# Altium PCB Dash2019.PcbDoc (continued)
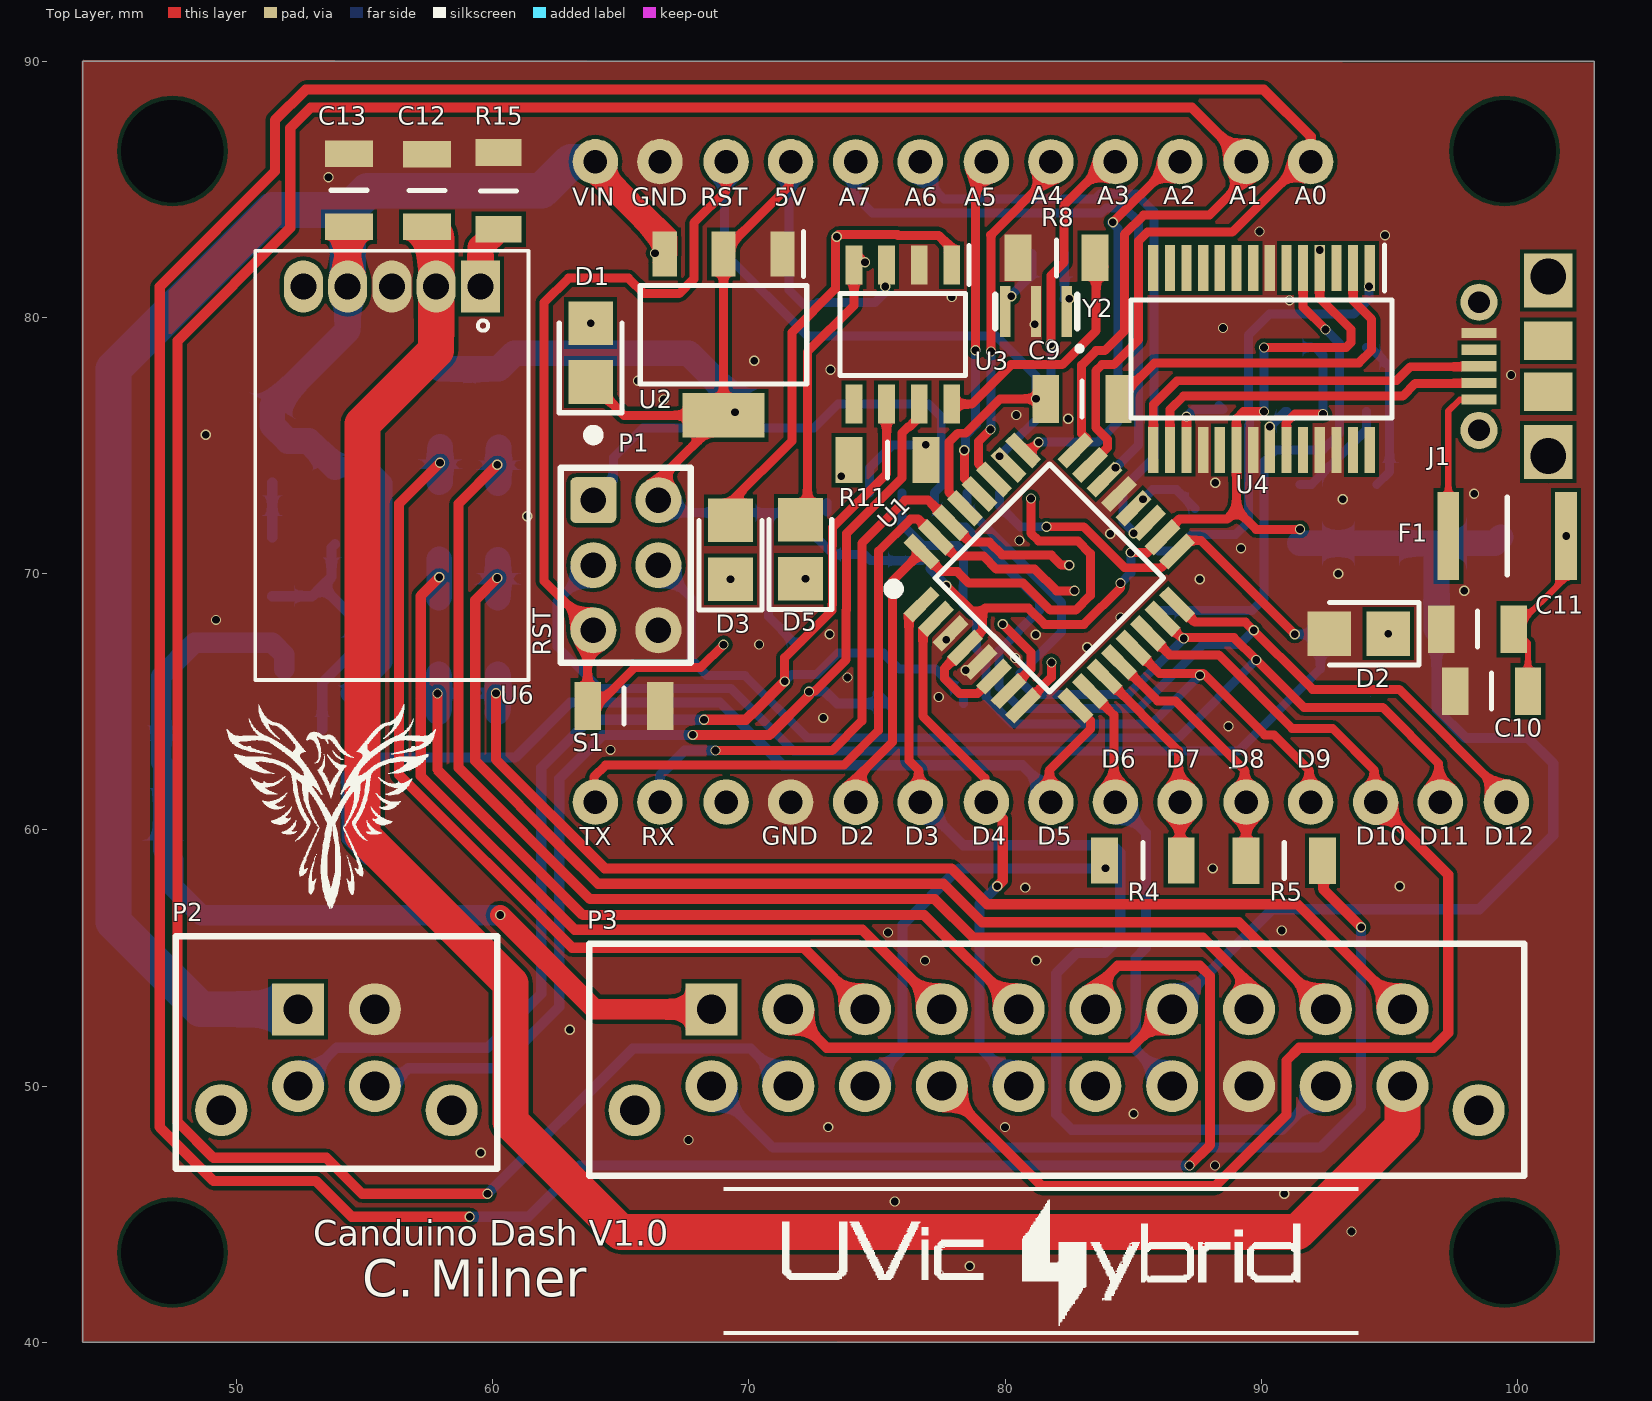
[diagram p0: Top Layer view]
## Part data (continued)
R8: library part Res1, "Resistor", Case/Package=1206, Case Code (Metric)=3216, Manufacturer="TE Connectivity Holsworthy", Manufacturer Part Number=CRGH1206F16K9, Max Operating Temperature=125°C, Min Operating Temperature=-55°C, Number of Resistors=1, Power Rating=500mW, Resistance=16.9kR, Supplier Part Number=RMCF1206FT16K9CT-ND, Temperature Coefficient=100ppm/°C, Tolerance=1%, Voltage Rating=200V, Case Code (Imperial)=1206, ComponentLink1Description=https://datasheet.ciiva.com/12573/eng-ds-1773204-g-12573853.pdf, ComponentLink1URL=https://datasheet.ciiva.com/12573/eng-ds-1773204-g-12573853.pdf, Composition="Thick Film,Power resistor", ELV=Compliant, Height=0.55mm, Length=3.1mm, Mount="Surface Mount", Number of Terminations=2, Packaging="Tape and Reel", Supplier 1=Digi-Key, Termination=Solder, Width=1.55mm
R10: library part Res1, "Resistor", Case/Package=1206, Case Code (Metric)=3216, Manufacturer=Vishay, Manufacturer Part Number=CRCW1206120RFKEAHP, Max Operating Temperature=155°C, Min Operating Temperature=-55°C, Package Quantity=5000, Power Rating=500mW, Resistance=120R, Temperature Coefficient=100ppm/°C, Tolerance=1%, Voltage Rating=200V, Case Code (Imperial)=1206, ComponentLink1Description=https://datasheet.ciiva.com/8976/crcwhpe3-8976135.pdf, ComponentLink1URL=https://datasheet.ciiva.com/8976/crcwhpe3-8976135.pdf, ComponentLink2Description=https://datasheet.ciiva.com/48525/crcwhpe3-48525463.pdf, ComponentLink2URL=https://datasheet.ciiva.com/48525/crcwhpe3-48525463.pdf, ComponentLink3Description=https://datasheet.ciiva.com/7777/424479-7777433.pdf, ComponentLink3URL=https://datasheet.ciiva.com/7777/424479-7777433.pdf, ComponentLink4Description=https://datasheet.ciiva.com/7777/424479-7777434.pdf, ComponentLink4URL=https://datasheet.ciiva.com/7777/424479-7777434.pdf, Composition="Thick Film", Contact Plating=Tin, Depth=1.6mm, Height=0.5mm, Lead Free="Lead Free", Length=3.1mm, Military Standard=Not, Packaging="Tape and Reel", Radiation Hardening=No, REACH SVHC=Unknown, Stock 1=0, Supplier 1=Digi-Key, Supplier 2=Digi-Key, Termination=SMD/SMT, Voltage Rating (DC)=200V, Weight=0.000353oz, Width=1.6mm
R11: library part Res1, "Resistor", Case/Package=1206, Case Code (Metric)=3216, Manufacturer="Stackpole Electronics", Manufacturer Part Number=RNCP1206FTD10K0, Max Operating Temperature=155°C, Max Power Dissipation=500mW, Min Operating Temperature=-55°C, Resistance=10kR, Supplier Part Number=RNCP1206FTD10K0CT-ND, Temperature Coefficient=100ppm/°C, Tolerance=1%, Case Code (Imperial)=1206, ComponentLink1Description=http://www.seielect.com/Catalog/SEI-rncp.pdf, ComponentLink1URL=http://www.seielect.com/Catalog/SEI-rncp.pdf, Composition="Thin Film", Height=0.024inch, Length=0.122inch, Mount="Surface Mount", Number of Terminations=2, Packaging="Tape and Reel", Pricing 1="1=0.1, 10=0.052, 100=0.0211, 1000=0.00949, 2500=0.00824 (USD)", Stock 1=41487, Supplier 1=Digi-Key, Width=0.059inch
R15: library part Res1, "Resistor", Case/Package=1206, Case Code (Metric)=3216, Manufacturer="Stackpole Electronics", Manufacturer Part Number=RMCF1206FT267R, Max Operating Temperature=155°C, Max Power Dissipation=500mW, Min Operating Temperature=-55°C, Resistance=267R, Supplier Part Number=RMCF1206FT267RCT-ND, Temperature Coefficient=100ppm/°C, Tolerance=1%, Case Code (Imperial)=1206, ComponentLink1Description=http://www.seielect.com/Catalog/SEI-rncp.pdf, ComponentLink1URL=http://www.seielect.com/Catalog/SEI-rncp.pdf, ComponentLink2Description=https://www.seielect.com/catalog/SEI-Packaging.pdf, ComponentLink2URL=https://www.seielect.com/catalog/SEI-Packaging.pdf, Composition="Thin Film", Contact Plating=Nickel,Tin,Matte, Height=0.024inch, Lead Free="Lead Free", Length=0.122inch, Mount="Surface Mount", Number of Terminations=2, Packaging="Tape and Reel", Pricing 1="1=0.1, 10=0.052, 100=0.0211, 1000=0.00949, 2500=0.00824 (USD)", Radiation Hardening=No, Stock 1=679, Supplier 1=Digi-Key, Width=0.059inch
R24: library part Res1, "Resistor", Supplier Part Number=RNCP1206FTD511RCT-ND, LatestRevisionDate=17-Jul-2002, LatestRevisionNote="Re-released for DXP Platform.", PackageDescription="Axial Device, Thru-Hole; 2 Leads; 0.3 in Pin Spacing", PackageReference=AXIAL-0.3, Published=8-Jun-2000, Publisher="Altium Limited", Supplier 1=Digi-Key
R25 R27: library part Res1, "Resistor", Supplier Part Number=RHM1.0MPCT-ND, LatestRevisionDate=17-Jul-2002, LatestRevisionNote="Re-released for DXP Platform.", PackageDescription="Axial Device, Thru-Hole; 2 Leads; 0.3 in Pin Spacing", PackageReference=AXIAL-0.3, Published=8-Jun-2000, Publisher="Altium Limited", Supplier 1=Digi-Key
S1: "Switch", Manufacturer="ITT C&K", Manufacturer Part Number=KXT331LHS, Supplier Part Number=CKN10779CT-ND, ComponentLink1Description=https://www.ckswitches.com/media/1465/kxt3.pdf, ComponentLink1URL=https://www.ckswitches.com/media/1465/kxt3.pdf, ComponentLink2Description=http://www.ckswitches.com/media/1465/kxt3.pdf, ComponentLink2URL=http://www.ckswitches.com/media/1465/kxt3.pdf, LatestRevisionDate=17-Jul-2002, LatestRevisionNote="Re-released for DXP Platform.", PackageDescription="Switch; 2 Leads", PackageReference=SPST-2, Pricing 1="8500=0.1264 (USD)", Published=24-Mar-1999, Publisher="Altium Limited", Stock 1=42500, Supplier 1=Digi-Key
U1: "8-bit AVR Microcontroller, 32KB Flash, 1KB EEPROM, 2KB SRAM, 32-pin TQFP, Industrial Grade (-40°C to 85°C)", Supplier Part Number=ATMEGA328P-AU-ND, Code_JEDEC=MS-026-ABA, ComponentLink1Description="Manufacturer Link", ComponentLink1URL=http://www.atmel.com/products/avr/default.asp?, ComponentLink2Description="ATmega48A/48PA/88A/88PA/168A/168PA/328/328P Datasheet", ComponentLink2URL=http://www.atmel.com/dyn/resources/prod_documents/8271.pdf, ComponentLink3Description="ATmega48A/48PA/88A/88PA/168A/168PA/328/328P Summary", ComponentLink3URL=http://www.atmel.com/dyn/resources/prod_documents/8271S.pdf, ComponentLink4Description="Atmel.com Home", ComponentLink4URL=http://www.atmel.com, DatasheetVersion="revA, Jan-2010", PackageDescription="32-Lead, 7x7x1.0 mm Body, 0.8mm Lead Pitch, Thin Profile Plastic Quad Flat Package (TQFP)", PackageReference=32A, PackageVersion="revB, Oct-2001", Published=1-Apr-2010, Publisher="Altium Limited", Supplier 1=Digi-Key, Supplier 2=Farnell, Supplier 3=Mouser, Supplier Part Number 2=1715486, Supplier Part Number 3=556-ATMEGA328P-AU
U2: "800mA Low-Dropout Linear Regulator, 4-pin SOT-223", Manufacturer="National Semiconductor", PackageTopMarking=XYTT*N06B, PartNumber=LM1117IMPX-5.0/NOPBCT-ND, PowerWise=N, Supplier Part Number=296-21114-1-ND, Code_IPC=SOT223-4, Code_JEDEC=TO-261-AA, ComponentLink1Description="LM1117 Datasheet", ComponentLink1URL=http://www.national.com/ds/LM/LM1117.pdf, ComponentLink2Description="LM1117 Web Page", ComponentLink2URL=http://www.national.com/pf/LM/LM1117.html, ComponentLink3Description="MP04A Package Page", ComponentLink3URL=http://www.national.com/packaging/folders/mp04a.html, CompType="LDO IC", DatasheetVersion=Apr-2006, PackageDescription="Molded SOT-223, 6.50 x 3.56 x 1.6mm Body, 4 Lead, 2.3mm Pitch", PackageReference=MP04A, PackageVersion="revB, Apr-2003", PinCount=4, Published=1-Mar-2010, Publisher="Altium Limited", RoHS=N, Supplier 1=Digi-Key
U3: "SOIC", Supplier Part Number=MCP2551T-E/SNCT-ND, Supplier 1=Digi-Key
U4: "USB UART Asynchronous Serial Data Transfer Chip, SSOP-28, Tape and Reel", Case/Package=SSOP, Manufacturer=FTDI, Manufacturer Part Number=FT232RL-REEL, Max Operating Temperature=85°C, Max Supply Voltage=5.25V, Min Operating Temperature=-40°C, Min Supply Voltage=3.3V, Operating Supply Current=15mA, Package Quantity=2000, Supplier Part Number=768-1007-1-ND, Voltage=5V, ComponentLink1Description="Manufacturer Link", ComponentLink1URL=http://www.ftdichip.com/Products/ICs/FT232R.htm, ComponentLink2Description=Datasheet, ComponentLink2URL=http://www.ftdichip.com/Support/Documents/DataSheets/ICs/DS_FT232R.pdf, ComponentLink3Description=https://datasheet.ciiva.com/34304/2161019-34304054.pdf, ComponentLink3URL=https://datasheet.ciiva.com/34304/2161019-34304054.pdf, ComponentLink4Description=https://datasheet.ciiva.com/1787/ds-ft232r-1787047.pdf, ComponentLink4URL=https://datasheet.ciiva.com/1787/ds-ft232r-1787047.pdf, ComponentLink5Description=https://datasheet.ciiva.com/1787/ds-ft232r-1787048.pdf, ComponentLink5URL=https://datasheet.ciiva.com/1787/ds-ft232r-1787048.pdf, ComponentLink6Description=https://datasheet.ciiva.com/1787/ds-ft232r-1787049.pdf, ComponentLink6URL=https://datasheet.ciiva.com/1787/ds-ft232r-1787049.pdf, ComponentLink7Description=https://datasheet.ciiva.com/4787/ds-ft232r-11534-4787658.pdf, ComponentLink7URL=https://datasheet.ciiva.com/4787/ds-ft232r-11534-4787658.pdf, ComponentLink8Description=https://datasheet.ciiva.com/15150/getdatasheetpartid-643207-15150506.pdf, ComponentLink8URL=https://datasheet.ciiva.com/15150/getdatasheetpartid-643207-15150506.pdf, ComponentLink9Description=https://datasheet.ciiva.com/16200/ds-ft232r-16200652.pdf, ComponentLink9URL=https://datasheet.ciiva.com/16200/ds-ft232r-16200652.pdf, ComponentLink10Description=https://datasheet.ciiva.com/26841/ft232rl-reel-26841080.pdf, ComponentLink10URL=https://datasheet.ciiva.com/26841/ft232rl-reel-26841080.pdf, Data Rate=12Mbps, DatasheetVersion="ver 2.07, Jul-2010", Height=1.75mm, Interface=RS-232,RS-422,RS-485,UART, Lead Free="Lead Free", Length=10.2mm, Mount="Surface Mount", Number of Channels=1, Number of Pins=28, Number of Transceivers=1, PackageDescription="28-Pin Small Outline Package 0.65 mm Pitch", PackageReference=SSOP-28, PackageVersion=2010, Packaging="Tape and Reel", Pricing 1="1=4.5, 10=4.05, 100=3.65, 250=3.25, 500=2.85002, 1000=2.65 (USD)", Published=19-Aug-2010, Publisher="Altium Limited", Radiation Hardening=No, REACH SVHC="No SVHC", Stock 1=216496, Supplier 1=Digi-Key, Supplier 2=Digi-Key, Weight=0.080001oz, Width=5.3mm
U5: "SOIC", Supplier Part Number=MCP2515T-I/SOCT-ND, Supplier 1=Digi-Key
U6: "DC DC CONVERTER 0.591-6V 50W", Manufacturer_Part_Number=OKR-T/10-W12-C, Supplier Part Number=811-2180-ND, Built_By=Aksh, Vendor="Murata Power Solutions Inc."
Y1 Y2: Capacitance=15pF, Case/Package=SMD/SMT, Frequency=16MHz, Frequency Stability=0.15%, Frequency Tolerance=0.5%, Manufacturer=Murata, Manufacturer Part Number=CSTCE16M0V53C-R0, Max Operating Temperature=125°C, Min Operating Temperature=-40°C, Package Quantity=3000, Supplier Part Number=490-17948-1-ND, ComponentLink1Description=https://datasheet.ciiva.com/16430/cstce16m0v53c-r0-16430704.pdf, ComponentLink1URL=https://datasheet.ciiva.com/16430/cstce16m0v53c-r0-16430704.pdf, ComponentLink2Description=https://datasheet.ciiva.com/14132/ceralock-eng-bro-14132709.pdf, ComponentLink2URL=https://datasheet.ciiva.com/14132/ceralock-eng-bro-14132709.pdf, ComponentLink3Description=https://datasheet.ciiva.com/29617/l0430e-29617948.pdf, ComponentLink3URL=https://datasheet.ciiva.com/29617/l0430e-29617948.pdf, ComponentLink4Description=https://datasheet.ciiva.com/29617/l0430e-29617949.pdf, ComponentLink4URL=https://datasheet.ciiva.com/29617/l0430e-29617949.pdf, ComponentLink5Description=https://datasheet.ciiva.com/29617/l0430e-29617950.pdf, ComponentLink5URL=https://datasheet.ciiva.com/29617/l0430e-29617950.pdf, ComponentLink6Description=https://datasheet.ciiva.com/26812/getdatasheetpartid-418508-26812063.pdf, ComponentLink6URL=https://datasheet.ciiva.com/26812/getdatasheetpartid-418508-26812063.pdf, Composition=Ceramic, Contact Plating=Gold, Height=0.031inch, Lead Free="Lead Free", Length=0.126inch, Mount="Surface Mount", Number of Pins=3, Packaging="Tape and Reel", REACH SVHC="No SVHC", Stock 1=0, Supplier 1=Digi-Key, Termination=SMD/SMT, Tolerance=0.5%, Width=0.051inch

## Free pads (board coordinates)
  round 1.774 hole 0.914: 2(64.011,61.085) 2(64.011,86.085) 2(66.53,61.085) 2(66.53,86.085) 2(69.111,61.085) 2(69.111,86.085) 2(71.631,61.085) 2(71.631,86.085) 2(74.171,61.082) 2(74.171,86.082) 2(76.69,61.082) 2(76.69,86.082) 2(79.271,61.082) 2(79.271,86.082) 2(81.791,61.082) 2(81.791,86.082) 2(84.31,61.085) 2(84.31,86.085) 2(86.829,61.085) 2(86.829,86.085) 2(89.411,61.085) 2(89.411,86.085) 2(91.93,61.085) 2(91.93,86.085) 2(94.47,61.082) 2(96.989,61.082) 2(99.571,61.082)
  round 1.524 hole 4: 3(99.5,43.5) 3(99.5,86.5) 6(47.5,43.5) 6(47.5,86.5)

## Via types
v1: diameter 0.4, hole 0.3, Top Layer to Bottom Layer, tented both sides, 125 vias

## Nets (pads, with @x,y where several pads share a name; then routed paths per layer and width w, separated by ;. In a path a pad name is that pad's centre, name@x,y a point inside that pad or via, vN(x,y) a via of type N, cw(c..) or ccw(c..) an arc to the next point about the centre after c; other vN are vias at no path point)
+3.3V: C8.2 U4.17 | length 3.1
  Top Layer w0.35: U4.17 v1(87.086,76.135)
  Bottom Layer w0.35: v1(87.086,76.135) 87.366,76.415 C8.2 88.511,76.415 C8.2@88.36,76.566
+5V: C1.1 C2.2 C5.2 C6.2 C7.2 D1.1 D4.2 D6.1 D7.1 P1.4 P3.2 P3.7 pad.2@71.631,86.085 R1.1 R9.1 R11.2 R12.2 R16.1 R20.1 U1.4 U1.6 U1.18 U2.2 U2.4 U3.3 U4.4 U4.20 U5.18 | length 158.3
  Top Layer w0.35: D1.1 65.126,76.185 U2.4 ; P1.4 66.47,73.645 U2.4 ; pad.2@71.571,86.335 71.571,85.145 69.011,82.585 U2.2 U2.4 ; v1(75.32,81.214) 75.32,81.973 75.311,81.982 U3.3 ; v1(77.711,69.535) 78.713,68.533 79.113,68.533 ; U1.6 78.928,65.335 78.216,65.335 77.64,65.911 77.64,66.31 U1.4 79.113,67.783 79.113,68.533 ; v1(84.511,69.635) 84.511,69.458 83.081,68.027 81.541,68.027 80.908,68.66 79.241,68.66 79.113,68.533 ; v1(84.911,70.827) 85.47,70.827 85.511,70.787 U1.18 86.15,71.475 86.811,72.135 88.671,72.135 89.036,72.5 ; v1(90.111,76.335) 89.311,76.335 89.036,76.06 U4.20 89.036,72.5 ; v1(90.111,78.835) 93.311,78.835 93.511,79.035 93.511,79.535 92.286,80.76 U4.4 ; v1(91.511,71.735) 89.8,71.735 89.036,72.5
  Top Layer w0.4: P3.2 73.039,51.5 84.919,51.5 86.419,53 P3.7
  Bottom Layer w0.35: P1.4 66.96,72.385 R9.1 70.758,72.385 ; C5.2@69.511,76.335 C5.2 ; pad.2@71.571,86.335 71.571,81.076 72.128,80.519 72.625,80.519 72.692,80.585 74.919,80.585 75.336,81.003 v1@75.336,81.235 ; R1.1 71.761,67.335 70.758,68.338 70.758,72.385 ; R12.2@73.055,72.404 73.055,72.785 72.706,72.435 R12.2 ; C1.1@76.766,70.51 74.756,70.51 C2.2 73.291,70.755 72.183,71.863 R12.2 ; C1.1 77.711,69.555 v1(77.711,69.535) ; v1(84.511,69.635) 84.911,70.035 v1(84.911,70.827) ; v1(90.111,76.335) v1(90.111,78.835) ; 70.758,72.385 72.133,72.385 R12.2
  Bottom Layer w0.4: P3.7 90.425,56.9 98.508,56.9 101.404,59.796 101.404,62.597 100.416,63.585 97.977,63.585 96.841,64.721 C6.2
  Bottom Layer w1: R16.1@57.947,77.998 60.233,77.998 60.845,78.61 67.656,78.61 C5.2 ; D7.1 D6.1 96.809,71.185 ; C6.2 96.841,71.153 96.809,71.185 ; D4.2 99.107,71.185 96.809,71.185
  other v1: 73.611,73.81 69.461,76.31 92.286,82.635
+5V_LED: C12.1 P3.20 U6.2 | length 78.6
  Top Layer w1: C12.1 C12.1@57.794,83.185
  Top Layer w1.4: C12.1@57.794,83.185 U6.2 57.794,78.721 54.922,75.848 54.922,59.778 60.7,54 60.7,48.6 65,44.3 91.4,44.3 95.516,48.416 P3.20
+12V: C4.2 C13.1 P2.1 pad.2@64.011,86.085 Q1.3 R24.1 R25.2 U2.3 U6.4 | length 83
  Top Layer w1: U6.4 54.34,83.502 C13.1 ; pad.2@64.011,86.085 64.011,85.789 66.711,83.089 U2.3
  Bottom Layer w0.8: R25.2 55.066,74.155 55.693,73.528 55.693,66.562 Q1.3
  Bottom Layer w1: R25.2 52.816,75.185 52.01,75.185 51.396,75.8 R24.1 54.34,79.505 U6.4 ; 54.34,84.174 54.34,84.2
  Bottom Layer w1.4: P2.1 48.6,53 45.2,56.4 45.2,78 51.4,84.2 54.34,84.2 ; U6.4 54.34,84.174 55.115,84.949 61.918,84.949 63.054,86.085 pad.2@64.011,86.085
  other v1: 66.336,82.51
ADC0: P3.6 pad.2@91.93,86.085 U1.23 | length 157.3
  Top Layer w0.35: 83.857,74.79 83.996,74.928 83.996,75.249 83.541,75.704 83.541,77.92 83.786,78.165 84.24,78.165 85.211,79.135 85.211,79.258 85.219,79.265 85.219,80.872 85.211,80.88 85.211,82.991 85.556,83.335 88.87,83.335 pad.2@91.87,86.335
  Top Layer w0.4: v1(59.1,44.9) 54.5,44.9 53.1,46.3 49.1,46.3 47,48.4 47,81.202 51.5,85.702 51.5,87.7 52.7,88.9 90.1,88.9 91.93,87.07 pad.2@91.93,86.085 ; P3.6 83.528,53.828 84.4,54.7 87.6,54.7 88,54.3 88,47.7 v1(87.2,46.9)
  Bottom Layer w0.4: v1(59.1,44.9) 61.4,44.9 63.4,46.9 v1(87.2,46.9)
ADC1: P3.12 pad.2@89.411,86.085 U1.24 | length 123
  Top Layer w0.35: U1.24 83.201,75.266 82.991,75.476 82.991,78.148 83.558,78.715 83.89,78.715 84.669,79.493 84.669,80.644 84.661,80.652 84.661,83.252 85.409,84 87.976,84 89.351,85.375 pad.2@89.351,86.085
  Top Layer w0.4: v1(59.8,45.8) 54.9,45.8 53.5,47.2 49.1,47.2 47.7,48.6 47.7,79.1 52.1,83.5 52.1,87.4 52.9,88.2 87.296,88.2 pad.2@89.411,86.085
  Bottom Layer w0.4: v1(59.8,45.8) 65.467,51.467 70.075,51.467 P3.12
ADC2: pad.2@86.829,86.085 U1.25 | length 16.1
  Top Layer w0.35: U1.25 80.996,74.82 v1(81.311,75.135) ; v1(84.211,83.72) 86.285,85.794 86.77,85.794 pad.2@86.77,86.335
  Bottom Layer w0.35: v1(81.311,75.135) 83.611,75.135 84.411,75.935 84.411,83.471 84.162,83.72 v1(84.211,83.72)
ADC3: pad.2@84.31,86.085 U1.26 | length 13.6
  Top Layer w0.35: v1(81.786,78.96) 81.786,81.641 82.311,82.166 82.311,84.396 pad.2@84.25,86.335
  Bottom Layer w0.35: v1(79.781,74.582) 81.786,76.587 v1(81.786,78.96)
ADC4: pad.2@81.791,86.082 U1.27 | length 14.1
  Top Layer w0.35: v1(79.436,75.635) 78.961,75.16 78.961,74.302 U1.27 ; v1(79.45,78.675) 79.45,83.152 79.475,83.177 79.436,83.216 81.731,85.511 pad.2@81.731,86.332
  Bottom Layer w0.35: v1(79.436,75.635) 79.475,75.674 79.45,75.699 v1(79.45,78.675)
ADC5: pad.2@79.271,86.082 U1.28 | length 13.8
  Top Layer w0.35: v1(78.411,74.82) 78.411,73.721 U1.28 ; v1(78.85,78.725) 78.85,85.971 pad.2@79.212,86.332
  Bottom Layer w0.35: v1@78.466,74.835 78.466,75.408 78.886,75.828 78.85,75.864 v1(78.85,78.725)
ADC6: pad.2@76.69,86.082 U1.19 | length 23.9
  Bottom Layer w0.35: pad.2@76.63,86.332 76.63,85.616 77.611,84.635 83.521,84.635 83.706,84.82 85.126,84.82 85.811,84.135 85.811,74.535 84.611,73.335 84.611,72.035 85.019,71.627 v1(85.019,71.585)
ADC7: pad.2@74.171,86.082 U1.22 | length 23.2
  Bottom Layer w0.35: pad.2@74.111,86.332 74.111,84.795 74.821,84.085 83.749,84.085 83.934,84.27 84.676,84.27 85.211,83.735 85.211,75.03 v1(84.316,74.135)
CANH: P2.4 R10.1 U3.7 | length 46
  Top Layer w0.35: v1(72.35,65.4) 72.55,65.4 73.799,66.649 73.799,68.565 73.811,68.577 73.811,71.571 75.976,73.736 75.976,75.491 76.22,75.735 76.261,75.735 76.646,76.12 U3.7
  Top Layer w0.4: v1(67.81,63.71) 70.81,63.71 72.35,65.25 v1(72.35,65.4)
  Bottom Layer w0.35: R10.1@75.011,65.335 R10.1@75.511,64.835
  Bottom Layer w0.4: P2.4@54.997,50.003 P2.4@55.199,50.204 ; P2.4 56.003,50.003 56.7,50.7 60.2,50.7 62.6,53.1 62.6,62 64.31,63.71 v1(67.81,63.71) ; v1(72.35,65.4) 72.986,65.4 73.451,64.935 R10.1
CANL: P2.3 R10.2 U3.6 | length 52
  Top Layer w0.35: v1(71.4,65.8) 71.4,66.724 73.236,68.56 73.249,68.56 73.249,68.793 73.261,68.805 73.261,70.816 73.249,70.827 73.249,71.093 73.261,71.105 73.261,71.799 75.376,73.914 U3.6
  Top Layer w0.4: v1(68.25,64.3) 69.875,64.3 70.075,64.5 70.087,64.487 v1(71.4,65.8)
  Bottom Layer w0.35: v1(71.4,65.8) 71.675,66.075 72.65,66.075 73.475,66.9 75.254,66.9 75.875,66.279 77.296,66.279 78.386,65.189 R10.2
  Bottom Layer w0.4: P2.3@52,50.003 P2.3 53.9,51.5 59.8,51.5 61.9,53.6 61.9,62.435 63.765,64.3 v1(68.25,64.3)
D0/RXD: pad.2@66.53,61.085 R2.1 U1.30 | length 26.6
  Top Layer w0.35: v1(68.7,63.1) 73.251,63.1 74.411,64.26 74.411,71.19 76.096,72.875 76.994,72.875 U1.30 78.634,71.235 79.389,71.235 79.889,70.735 81.548,70.735 81.558,70.725 81.811,70.725 82.2,70.335 v1(82.511,70.335)
  Bottom Layer w0.4: pad.2@66.53,61.085 66.53,62.13 67.5,63.1 v1(68.7,63.1)
D1/TXD: pad.2@64.011,61.085 R3.1 U1.31 | length 29.4
  Top Layer w0.35: pad.2@63.951,60.848 63.951,62.076 64.41,62.535 73.71,62.535 75.061,63.885 75.061,70.885 76.311,72.135 76.602,72.135 U1.31 78.052,70.685 79.161,70.685 79.661,70.185 81.161,70.185 82.011,69.335 v1(82.711,69.335)
D2/INTCAN: pad.2@74.171,61.082 U1.32 U5.12 | length 24.5
  Top Layer w0.35: pad.2@74.111,60.845 74.111,61.935 75.611,63.435 75.611,69.726 U1.32 77.521,70.085 78.139,70.085 78.588,69.635 80.711,69.635 81.769,68.577 82.753,68.577 83.336,69.16 83.336,70.79 82.841,71.285 81.849,71.285 81.839,71.275 81.828,71.285 81.311,71.285 81.011,71.585 v1(81.011,72.935)
D3: P3.19 pad.2@76.69,61.082 U1.1 | length 40.1
  Top Layer w0.35: pad.2@76.63,61.082 76.63,62.335 76.251,62.715 76.251,68.315 U1.1
  Bottom Layer w0.4: pad.2@76.69,61.082 78.372,59.4 84.211,59.4 84.5,59.111 84.5,55.8 83.9,55.2 82.8,55.2 82,54.4 82,48.9 82.6,48.3 90.816,48.3 P3.19
D4: P3.15 pad.2@79.271,61.082 U1.2 | length 20.9
  Top Layer w0.35: U1.2 76.795,67.728 76.795,64.442 79.212,62.026 79.212,61.082 pad.2@79.212,61.022
  Top Layer w0.4: pad.2@79.197,61.082 79.212,61.082 79.271,61.082 79.911,60.442 79.911,58.011 v1(79.7,57.8)
  Bottom Layer w0.4: v1(79.7,57.8) 79,57.1 79,51.533 P3.15
D5: pad.2@81.791,61.082 Q2.2 R27.2 U1.9 | length 39.5
  Top Layer w0.35: pad.2@81.731,61.082 81.731,62.335 83.336,63.94 83.336,64.271 U1.9
  Bottom Layer w0.4: R27.2 55.091,58.834 54.296,59.629 Q2.2 54.296,62.121 55,62.825 60.875,62.825 63.025,64.975 68.875,64.975 71.325,62.525 80.675,62.525 81.791,61.409 pad.2@81.791,61.082
D6: P3.17 pad.2@84.31,61.085 U1.10 | length 18.2
  Top Layer w0.35: U1.10 84.25,64.487 pad.2@84.25,61.085
  Top Layer w0.4: pad.2@83.868,61.085 84.25,61.085 pad.2@84.31,61.085
  Bottom Layer w0.4: pad.2@84.31,60.413 84.31,61.085 85.5,59.896 85.5,55.4 85.1,55 85.1,51.428 P3.17
D7: pad.2@86.829,61.085 R4.1 U1.11 | length 8.4
  Top Layer w0.35: U1.11 86.77,63.099 pad.2@86.77,61.085 ; pad.2@86.829,61.085 86.829,58.861 R4.1
D8: pad.2@89.411,61.085 R5.1 U1.12 | length 10.2
  Top Layer w0.35: U1.12 85.961,65.04 86.65,65.04 89.351,62.339 pad.2@89.351,61.085 ; pad.2@89.411,61.085 89.411,58.836 R5.1@89.436,58.811
D9/CS: pad.2@91.93,61.085 U1.13 U5.16 | length 30
  Top Layer w0.35: U1.13 86.022,66.11 87.736,66.11 90.136,63.71 90.499,63.71 91.87,62.339 pad.2@91.87,60.848
  Bottom Layer w0.35: U5.16 75.971,71.925 76.801,71.095 78.151,71.095 78.371,70.876 78.371,69.535 78.361,69.525 78.361,68.804 78.889,68.276 78.889,67.056 79.251,66.693 79.251,65.195 80.311,64.135 85.711,64.135 v1(87.611,66.035)
D10: P3.14 pad.2@94.47,61.082 U1.14 | length 47.6
  Top Layer w0.35: U1.14 86.428,66.835 88.336,66.835 91.211,63.96 92.785,63.96 94.41,62.335 94.41,61.142 pad.2@94.47,61.082
  Top Layer w0.4: P3.14 81.436,46.1 88.2,46.1 90.986,48.886 90.986,51 91.486,51.5 96.721,51.5 97.3,52.079 97.3,58.252 pad.2@94.47,61.082
D11/MOSI: P1.5 pad.2@96.989,61.082 U1.15 U5.14 | length 60.8
  Top Layer w0.35: U1.15 86.884,67.51 88.936,67.51 v1(89.811,66.635) 91.661,64.785 94.736,64.785 96.93,62.592 pad.2@96.93,60.845
  Bottom Layer w0.35: P1.5 67.745,69.06 67.745,66.655 68.375,66.025 69.85,66.025 72.275,63.6 86.776,63.6 v1(89.811,66.635) ; U5.14 78.511,72.525 78.651,72.385 78.694,72.385 82.211,68.868 82.211,67.739 80.587,66.116 80.587,65.814 81.116,65.285 84.791,65.285 v1(86.976,67.47)
D12/MISO: P1.1 pad.2@99.571,61.082 U1.16 U5.15 | length 57.1
  Top Layer w0.35: U1.16 87.416,68.11 89.386,68.11 92.011,65.485 95.386,65.485 99.571,61.301 pad.2@99.571,61.082 ; pad.2@99.511,60.845 pad.2@99.511,61.082
  Bottom Layer w0.35: P1.1 64.711,73.656 64.711,74.535 65.861,75.685 72.536,75.685 73.486,76.635 77.011,76.635 77.511,76.135 77.511,73.43 U5.15 77.241,72.615 78.02,71.835 78.466,71.835 78.466,71.825 81.337,68.953 81.337,68.572 79.765,67 79.765,65.581 80.611,64.735 85.211,64.735 87.711,67.235 89.151,67.235 v1(89.711,67.795)
D13/SCK: P1.2 R7.2 U1.17 U5.13 | length 54
  Top Layer w0.35: v1(81.621,71.835) 83.069,71.835 84.669,70.235 86.091,70.235 U1.17 87.155,71.3 87.646,71.3 v1(91.311,67.635)
  Bottom Layer w0.35: P1.2 62.511,68.916 62.511,67.167 64.153,65.525 69.3,65.525 71.75,63.075 89.101,63.075 92.311,66.285 R7.2 92.286,67.635 v1(91.311,67.635) ; U5.13 79.781,72.65 80.606,71.825 80.617,71.835 v1(81.621,71.835)
GND: C1.2 C2.1 C3.1 C4.1 C5.1 C6.1 C7.1 C8.1 C10.1 C11.1 C12.2 C13.2 C14.2 D2.2 D9.1 J1.5 P1.6 P2.2 P3.18 pad.2@66.53,86.085 pad.2@71.631,61.085 Q2.3 R6.2 R8.1 R15.1 R19.2 R23.2 R26.1 R27.1 S1.2 U1.3 U1.5 U1.21 U2.1 U3.2 U4.7 U4.18 U4.21 U4.25 U4.26 U5.9 U6.3 Y1.2 Y2.2
  other v1: 78.625,42.975 93.525,44.325 75.7,45.496 90.9,45.8 88.2,46.9 59.533,47.4 67.648,47.9 73.1,48.4 80,48.4 85.019,48.925 63.013,52.2 76.874,54.9 81.218,54.9 75.434,56 90.8,56.075 80.786,57.75 95.405,57.8 88.104,58.5 64.6,63.125 88.725,64.048 72.902,64.375 77.411,65.191 73.85,65.95 78.466,66.235 80.4,66.711 83.214,67.135 70.401,67.241 77.711,67.431 81.196,67.616 73.152,67.637 49.2,68.2 84.511,68.294 97.929,69.335 87.605,69.785 93.007,70.003 89.211,71.001 80.561,71.299 84.111,71.566 61.35,72.25 93.186,72.91 98.311,73.123 88.211,73.55 48.8,75.425 82.465,76.052 80.434,76.201 66.675,76.8 65.675,77.539 99.755,77.76 73.186,77.965 70.215,78.318 88.511,79.596 81.157,79.735 91.102,80.671 77.919,80.8 94.836,83.21 89.934,83.364 53.589,85.475
NetC3_2: C3.2 U1.20 | length 2.5
  Bottom Layer w0.35: v1(85.386,72.91) 85.761,73.285 86.686,73.285 C3.2@87.416,72.555
NetC9_1: C9.1 U4.2 | length 14.2
  Top Layer w0.35: C9.1 85.837,78.235 93.811,78.235 94.311,78.735 94.311,79.935 93.586,80.66 U4.2
NetC14_1: C14.1 D9.2 P3.1 Q1.1@51.86,66.279 R26.2 | length 37.5
  Top Layer w0.8: v1(60.3,56.678) 63.978,53 P3.1
  Bottom Layer w0.4: C14.1@47.064,62.636 C14.1 ; D9.2@47.144,59.229 D9.2
  Bottom Layer w0.8: C14.1@47.064,62.636 R26.2 47.064,66.006 48.358,67.3 51.404,67.3 51.86,66.844 Q1.1@51.86,66.279 ; D9.2@47.144,59.229 C14.1 ; D9.2 47.539,57.761 48.622,56.678 v1(60.3,56.678)
NetD1_2: D1.2 R6.1
  other v1: 63.826,79.785
NetD3_1: D3.1 R9.2
  other v1: 69.283,69.785
NetD3_2: D3.2 U3.1 U5.1 | length 18.2
  Top Layer w0.35: D3.2 69.283,72.783 71.686,75.185 71.686,79.424 73.381,81.119 73.381,83.11 v1(73.431,83.16) 73.506,83.235 75.806,83.235 75.831,83.21 77.411,83.21 77.916,82.705 U3.1
NetD5_1: D5.1 R12.1
  other v1: 72.208,69.81
NetD5_2: D5.2 U3.4 U5.2 | length 11.6
  Top Layer w0.35: D5.2@72.208,72.11 72.286,72.188 72.286,78.66 74.106,80.48 U3.4 74.106,82.58 U3.4@74.372,82.314
  other v1: 74.536,82.16
NetD6_2: D6.2 R13.2 | length 6
  Bottom Layer w0.35: R13.2 94.261,78.835 95.011,78.085 95.011,73.985 D6.2
NetD7_2: D7.2 R14.2 | length 4.2
  Bottom Layer w0.35: D7.2 91.961,73.485 94.111,75.635 R14.2
NetD8_1: D8.1 R24.2 | length 2.1
  Bottom Layer w0.4: D8.1 R24.2
NetD8_2: D8.2 Q1.2 Q2.1@53.346,63.929 R25.1 | length 10.5
  Bottom Layer w0.4: D8.2 52.949,69.126 53.33,69.507 ; Q2.1@53.346,63.929 53.346,65.746 54.46,66.86 Q1.2 54.46,68.376 53.33,69.507 ; R25.1 53.71,71.02 53.71,69.888 53.33,69.507
NetF1_2: F1.2 J1.1 | length 6.6
  Top Layer w0.25: F1.2 97.303,76.353 97.744,76.794 J1.1@98.503,76.794
  Top Layer w0.35: J1.1@98.503,76.794 J1.1@98.841,76.794
NetP3_3: P3.3 R16.2 R17.1 | length 36.2
  Top Layer w0.4: v1(57.945,74.331) 56.344,72.731 56.344,62.156 63.1,55.4 72.136,55.4 P3.3
  Bottom Layer w1: R17.1 57.947,73.598 R16.2
NetP3_4: P3.4 R17.2 R18.1 | length 33.7
  Top Layer w0.4: v1(57.919,69.861) 57.194,69.136 57.194,62.106 63.2,56.1 74.433,56.1 P3.4
  Bottom Layer w1: R18.1 57.919,69.096 v1(57.919,69.861) R17.2
NetP3_5: P3.5 R18.2 R19.1 | length 31
  Top Layer w0.4: v1(57.843,65.329) 57.843,62.357 62.2,58 63.522,56.678 76.852,56.678 P3.5
  Bottom Layer w1: R19.1 57.894,64.63 R18.2
NetP3_8: P3.8 R20.2 R21.1 | length 49.2
  Top Layer w0.4: v1(60.18,74.254) 58.668,72.743 58.668,62.432 63.8,57.3 77.252,57.3 78.752,55.8 87.725,55.8 89.522,54.003 P3.8
  Bottom Layer w1: R21.1 60.231,73.571 R20.2
NetP3_9: P3.9 R21.2 R22.1 | length 46.2
  Top Layer w0.4: v1(60.18,69.835) 59.316,68.972 59.316,62.695 62.8,59.211 64.111,57.9 77.6,57.9 79.1,56.4 89.119,56.4 P3.9
  Bottom Layer w1: R22.1 R21.2
NetP3_10: P3.10 R22.2 R23.1 | length 43.5
  Top Layer w0.4: v1(60.129,65.34) 60.129,62.747 64.376,58.5 77.9,58.5 79.3,57.1 91.416,57.1 P3.10
  Bottom Layer w1: R23.1 60.205,64.63 R22.2
NetP3_11: P3.11 R5.2 | length 37.2
  Top Layer w0.4: R5.2@92.436,58.811 92.436,57.664 v1(93.9,56.2)
  Bottom Layer w0.4: P3.11 70.944,47.6 92.3,47.6 93.9,49.2 v1(93.9,56.2)
NetP3_13: P3.13 R4.2 | length 15.7
  Bottom Layer w0.4: P3.13 76,51.467 76,56.3 78.2,58.5 v1(83.922,58.5)
NetR8_2: R8.2 U3.8 | length 9.9
  Top Layer w0.35: U3.8 78.699,76.623 80.24,78.165 82.23,78.165 83.558,79.492 83.558,81.682 83.861,81.985 R8.2
NetR11_1: R11.1 U5.17 | length 3.6
  Bottom Layer w0.35: U5.17 74.701,74.125 75.611,75.035 v1(76.911,75.035)
NetR13_1: R13.1 U4.23 | length 6.5
  Top Layer w0.35: U4.23 90.986,75.91 91.311,76.235 v1(92.411,76.235)
  Bottom Layer w0.35: R13.1@91.011,78.835 R13.1 92.111,78.835 92.411,78.535 v1(92.411,76.235)
NetR14_1: R14.1 U4.22 | length 1.8
  Top Layer w0.35: U4.22 v1(90.336,75.735)
  Bottom Layer w0.35: v1(90.336,75.735) 90.359,75.735 90.711,76.087 90.711,76.11 90.936,76.335 R14.1@91.011,76.335
NetR15_2: R15.2 U6.1 | length 2.5
  Top Layer w1: U6.1 59.522,82.738 R15.2
NetU1_7: U1.7 Y1.1 | length 3.4
  Top Layer w0.35: v1(79.911,68.035) 81.011,66.935 81.011,66.287 U1.7
NetU1_8: U1.8 Y1.3 | length 2.1
  Top Layer w0.35: U1.8 81.811,65.956 v1(81.811,66.535)
NetU5_7: U5.7 Y2.3 | length 2.7
  Bottom Layer w0.35: v1(80.24,80.835) v1@80.206,80.835 ; U5.7 81.051,81.68 v1@80.206,80.835 ; v1@80.206,80.835 80.166,80.835 79.991,80.66 80.011,80.64 v1@80.206,80.835
NetU5_8: U5.8 Y2.1 | length 2
  Bottom Layer w0.35: U5.8 v1@82.321,80.735 ; v1(82.511,80.735) v1@82.321,80.735 ; v1@82.321,80.735 82.321,80.725 82.311,80.735 v1@82.321,80.735
RESET: C9.2 P1.3 pad.2@69.111,86.085 R1.2 S1.1 U1.29 | length 60.2
  Top Layer w0.35: v1(69.011,67.235) 68.111,66.335 65.536,66.335 64.036,64.835 S1.1 63.706,67.571 P1.3 62.011,69.715 62.011,80.595 62.961,81.545 65.301,81.545 65.911,80.935 67.278,80.935 67.853,81.51 67.853,83.702 69.111,84.961 pad.2@69.111,86.085 ; 77.888,73.113 77.811,73.19 77.811,75.135 78.161,75.486 78.461,75.486 79.805,76.83 C9.2
  Bottom Layer w0.35: pad.2@69.052,86.335 69.052,82.526 69.047,82.522 72.283,79.285 79.639,79.285 81.211,77.713 v1(81.211,76.835)
RXD: R2.2 U4.1 | length 17.1
  Bottom Layer w0.35: R2.2 86.661,70.885 87.311,71.535 89.007,71.535 89.511,72.04 89.511,75.78 89.546,75.815 89.546,76.052 89.511,76.087 89.511,79.326 90.32,80.135 93.611,80.135 94.211,80.735 v1(94.211,81.214)
TXD: R3.2 U4.5 | length 20.1
  Top Layer w0.35: U4.5 91.636,80.41 v1(92.511,79.535)
  Bottom Layer w0.35: R3.2@85.986,68.56 R3.2 89.636,68.56 90.111,69.035 90.111,74.376 90.57,74.835 92.411,74.835 93.061,75.485 93.061,78.985 v1(92.511,79.535)
USBD+: J1.3 U4.15 | length 15.7
  Top Layer w0.35: U4.15@85.786,74.285 U4.15 85.786,76.603 86.718,77.535 95.275,77.535 95.822,78.082 J1.3@98.536,78.082
USBD-: J1.2 U4.16 | length 14.7
  Top Layer w0.35: U4.16@86.436,74.285 U4.16 86.436,76.405 86.967,76.935 95.523,76.935 96.02,77.432 J1.2@98.587,77.432
VUSB: C10.2 C11.2 D4.1 F1.1 | length 7.1
  Top Layer w0.25: C10.2 100.413,67.283 C11.2 101.903,69.877 v1(101.903,71.475)
pads on no net: D2.1 J1.0 J1.4 P2.0 P3.0 P3.16 Q1.1@52.61,64.779 Q2.1@51.846,63.179 R7.1 U3.5 U4.3 U4.6 U4.8 U4.9 U4.10 U4.11 U4.12 U4.13 U4.14 U4.19 U4.24 U4.27 U4.28 U5.3 U5.4 U5.5 U5.6 U5.10 U5.11 U6.5
copper on no net:
  other v1: 94.961,67.66

## Polygon pours and split planes (outlines as drawn)
GND on Top Layer "GND_L01_P017" (solid, pour order 17): 43.967,40.033 43.967,90.058 103,89.944 103,40
GND on Bottom Layer "Bottom Layer-No Net" (solid, pour order 24): 44.062,90 103,90 103,40 44,40

## Silkscreen, mask and mechanical layers (free items; w line width, h text height)
Top Overlay:
  drawing of 3072 lines, arcs and shapes, not listed
  text "A4" at 81.011,84.2 h1.2
  text "A3" at 83.6,84.2 h1.2
  text "A2" at 86.186,84.2 h1.2
  text "A1" at 88.753,84.2 h1.2
  text "A0" at 91.3,84.2 h1.2
  text "VIN" at 63.111,84.135 h1.2
  text "GND" at 65.4,84.135 h1.2
  text "RST" at 68.1,84.135 h1.2
  text "5V" at 71,84.135 h1.2
  text "A7" at 73.5,84.135 h1.2
  text "A6" at 76.091,84.135 h1.2
  text "A5" at 78.4,84.135 h1.2
  text "RST" at 62.5,66.8 h1.2 r90
  text "D6" at 83.751,62.2 h1.2
  text "D7" at 86.3,62.2 h1.2
  text "D8" at 88.794,62.2 h1.2
  text "D9" at 91.382,62.2 h1.2
  text "TX" at 63.4,59.171 h1.2
  text "RX" at 65.8,59.171 h1.2
  text "GND" at 70.5,59.188 h1.2
  text "D2" at 73.577,59.188 h1.2
  text "D3" at 76.091,59.188 h1.2
  text "D4" at 78.7,59.188 h1.2
  text "D5" at 81.252,59.188 h1.2
  text "D10" at 93.7,59.188 h1.2
  text "D11" at 96.161,59.188 h1.2
  text "D12" at 98.7,59.188 h1.2
  text "Canduino Dash V1.0" at 53,43.441 h1.7
  text "C. Milner" at 54.9,41.3 h2.5
Mechanical 6:
  lines w0.254: 44,40 44,90.025 102.975,90.025 103,90 103,40 44,40
Mechanical 22:
  lines w0.406: 217.338,41.683 217.77,41.683 ; 219.903,41.556 220.259,41.556 ; 217.135,41.887 218.049,41.887 217.592,41.328 217.135,41.887 ; 219.649,41.328 220.107,41.887 220.564,41.328 219.649,41.328
  text "NANO" at 200.457,43.761 h1.57 r90
  text "RST" at 191.942,43.597 h1.26 r90
  text "*" at 186.172,43.131 h0.79
  text "*" at 188.687,43.131 h0.79
  text "*" at 191.252,43.131 h0.79
  text "*" at 198.872,43.131 h0.79
  text "*" at 201.438,43.131 h0.79
  text "*" at 206.492,43.131 h0.79
  text "PWR" at 197.305,42.688 h1.26 r90
  text "ARDUINO" at 202.083,42.574 h1.57 r90
  text "D12" at 183.531,42.369 h1.26
  text "D11" at 186.071,42.369 h1.26
  text "D10" at 188.585,42.369 h1.26
  text "D9" at 191.532,42.369 h1.26
  text "D8" at 194.097,42.369 h1.26
  text "D7" at 196.586,42.369 h1.26
  text "D6" at 199.152,42.369 h1.26
  text "D5" at 201.742,42.369 h1.26
  text "D4" at 204.232,42.369 h1.26
  text "D3" at 206.797,42.369 h1.26
  text "D2" at 209.286,42.369 h1.26
  text "GND" at 211.521,42.369 h1.26
  text "RST" at 214.061,42.369 h1.26
  text "RX0" at 216.576,42.369 h1.26
  text "TX1" at 219.116,42.369 h1.26
  text "ICSP" at 221.224,40.794 h1.26
  text "TX" at 212.637,40.677 h1.26 r90
  text "L" at 197.051,40.337 h1.26 r90
  text "1" at 207.713,40.099 h2.17 r90
  text "ARDUINO.CC" at 183.54,39.878 h1.26
  text "D13" at 168.072,38.481 h1.26
  text "3V3" at 170.637,38.481 h1.26
  text "REF" at 173.152,38.481 h1.26
  text "A0" at 176.047,38.481 h1.26
  text "A1" at 178.613,38.481 h1.26
  text "A2" at 181.127,38.481 h1.26
  text "A3" at 183.667,38.481 h1.26
  text "A4" at 186.182,38.481 h1.26
  text "A5" at 188.747,38.481 h1.26
  text "A6" at 191.287,38.481 h1.26
  text "A7" at 193.802,38.481 h1.26
  text "5V" at 196.342,38.481 h1.26
  text "RST" at 198.882,38.481 h1.26
  text "GND" at 201.498,38.481 h1.26
  text "VIN" at 204.013,38.481 h1.26
  text "RX" at 212.764,37.852 h1.26 r90
Mechanical 23:
  circle w0.406: c200.066,37.01 r0.144